# KiCad board register-motherboard - Copy.kicad_pcb
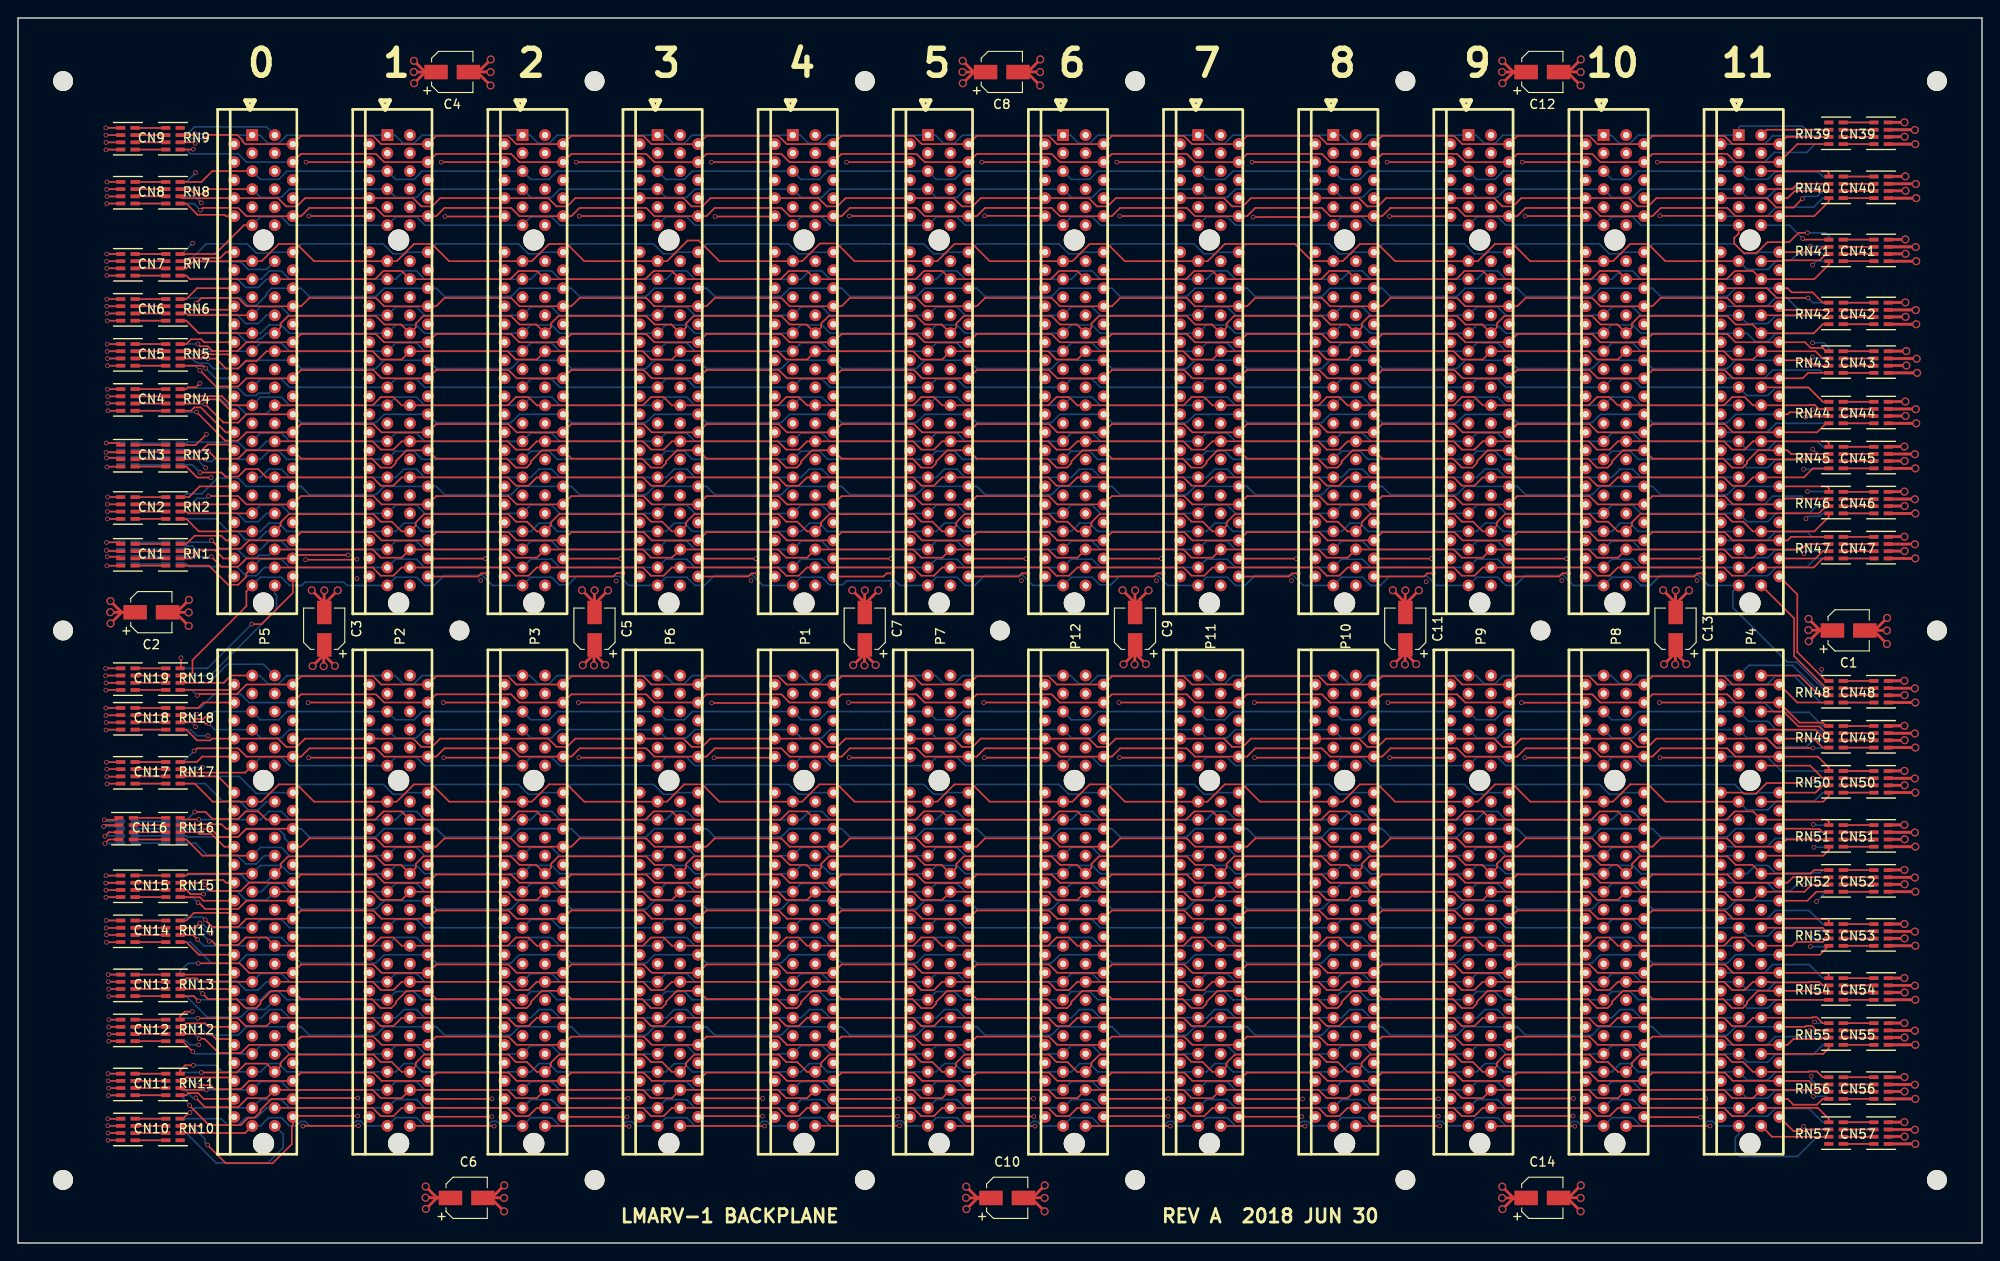
[diagram p0: board, top side]
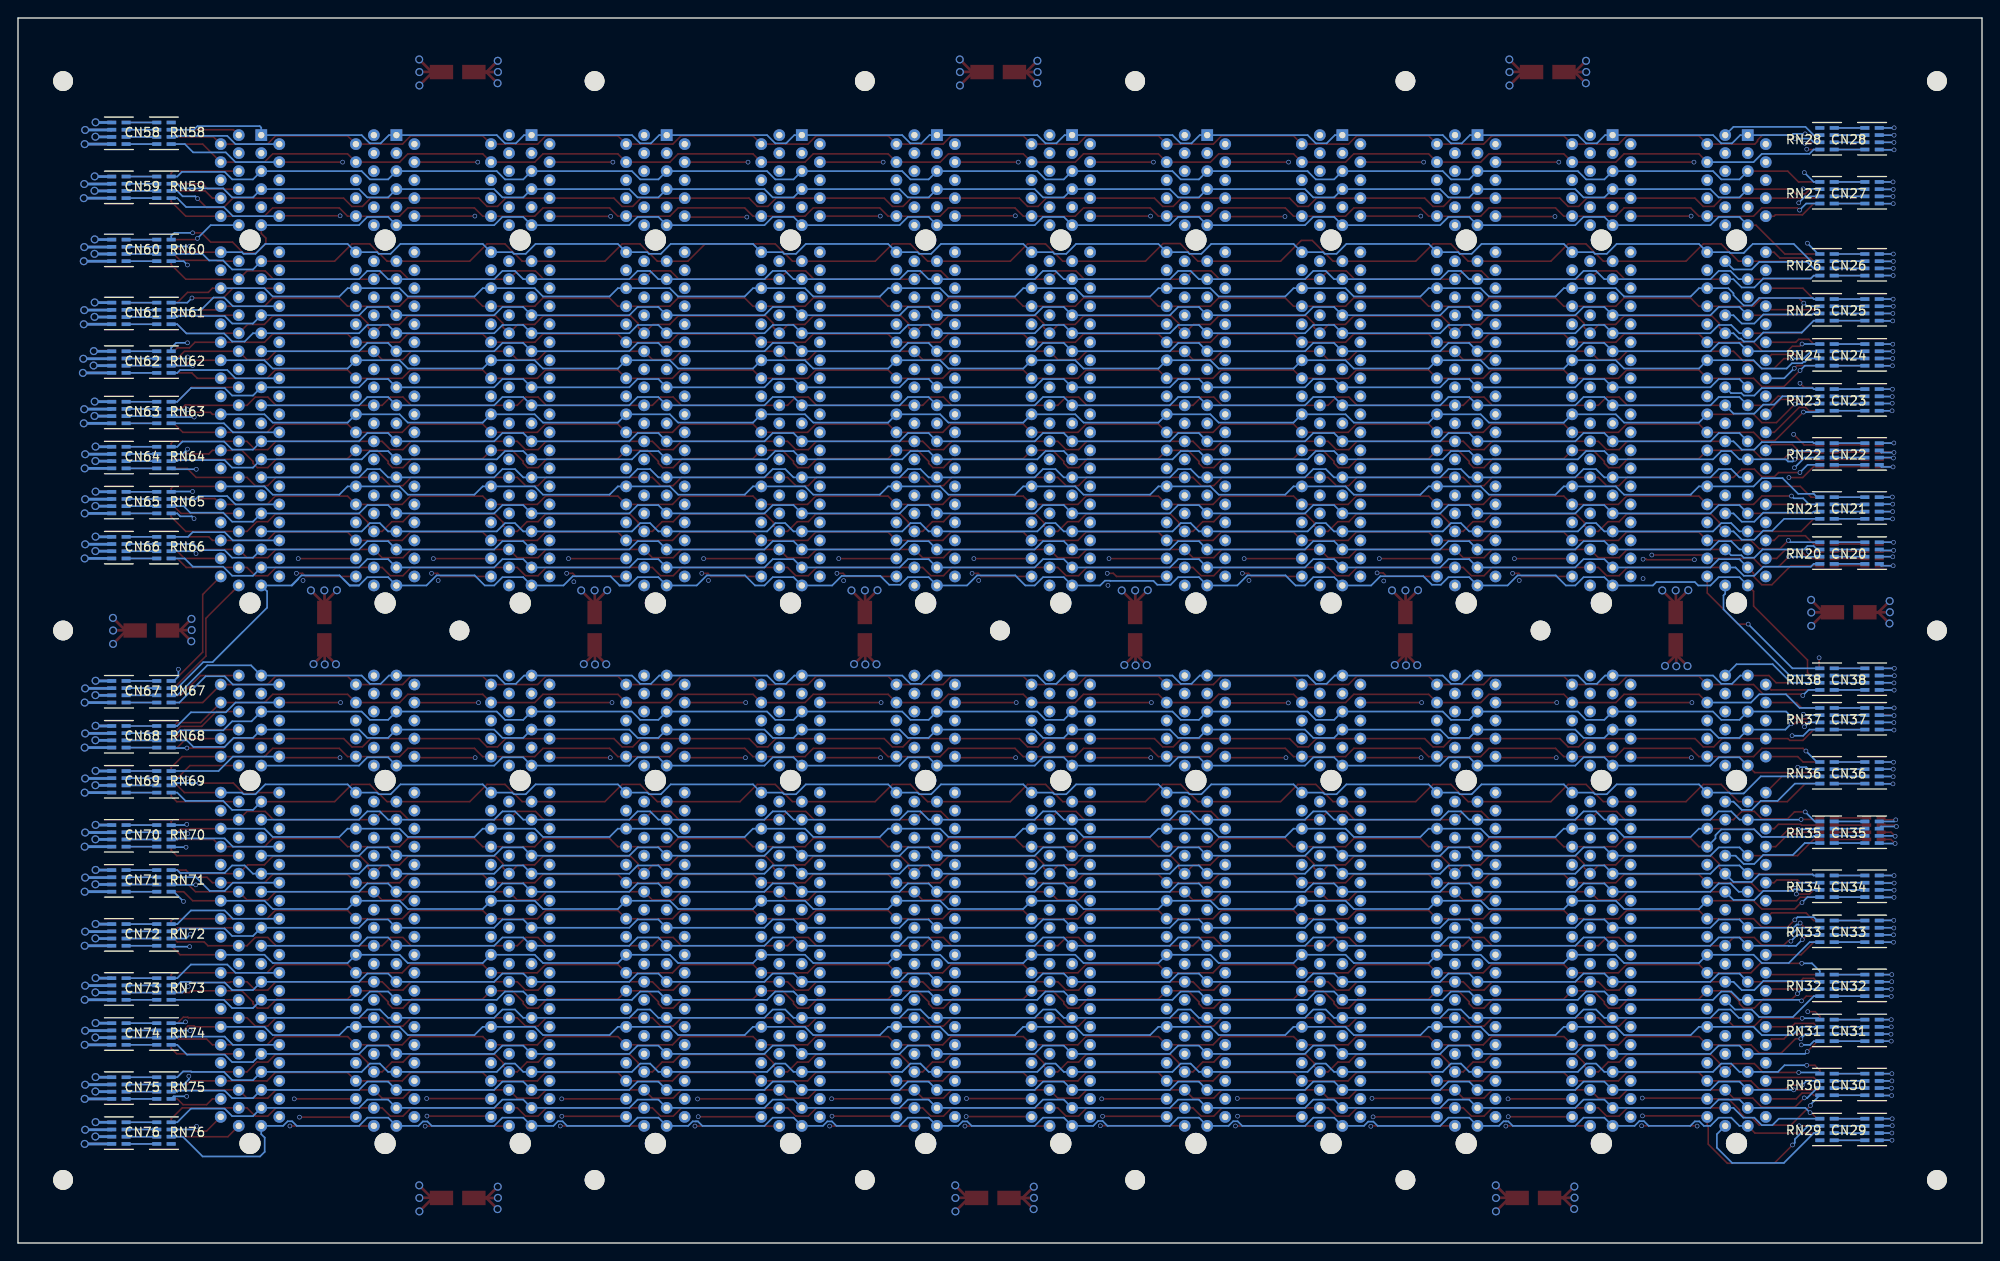
[diagram p1: board, bottom side, seen from below]

Outline 218 x 136 mm; copper layers: Top, Gnd1.Cu (plane), In2.Cu, Vcc3.Cu (plane), Gnd4.Cu (plane), Bottom. Coordinates in mm from the lower left corner of the outline.
Outline path: 0,136 218,136 218,0 0,0 0,136

## Placement (name value [footprint] x y rotation side)
C1  47u  [CP_Elec_4x4.5]  203.2 68 0 top
C2  47u  [CP_Elec_4x4.5]  14.8 70.02 0 top
C3  47u  [CP_Elec_4x4.5]  34 68.2 90 top
C4  47u  [CP_Elec_4x4.5]  48.2 130 0 top
C5  47u  [CP_Elec_4x4.5]  64 68.2 90 top
C6  47u  [CP_Elec_4x4.5]  49.8 5 0 top
C7  47u  [CP_Elec_4x4.5]  94 68.2 90 top
C8  47u  [CP_Elec_4x4.5]  109.2 130 0 top
C9  47u  [CP_Elec_4x4.5]  124 68.2 90 top
C10  47u  [CP_Elec_4x4.5]  109.8 5 0 top
C11  47u  [CP_Elec_4x4.5]  154 68.2 90 top
C12  47u  [CP_Elec_4x4.5]  169.2 130 0 top
C13  47u  [CP_Elec_4x4.5]  184 68.2 90 top
C14  47u  [CP_Elec_4x4.5]  169.2 5 0 top
CN1  CA0612KRNPO9BN151  [CARRAY_8_0612_3.2x1.6mm_Pitch0.8mm]  12.2 76.4 0 top
CN2  CA0612KRNPO9BN151  [CARRAY_8_0612_3.2x1.6mm_Pitch0.8mm]  12.2 81.6 0 top
CN3  CA0612KRNPO9BN151  [CARRAY_8_0612_3.2x1.6mm_Pitch0.8mm]  12.2 87.4 0 top
CN4  CA0612KRNPO9BN151  [CARRAY_8_0612_3.2x1.6mm_Pitch0.8mm]  12.2 93.6 0 top
CN5  CA0612KRNPO9BN151  [CARRAY_8_0612_3.2x1.6mm_Pitch0.8mm]  12.2 98.6 0 top
CN6  CA0612KRNPO9BN151  [CARRAY_8_0612_3.2x1.6mm_Pitch0.8mm]  12.2 103.6 0 top
CN7  CA0612KRNPO9BN151  [CARRAY_8_0612_3.2x1.6mm_Pitch0.8mm]  12.2 108.6 0 top
CN8  CA0612KRNPO9BN151  [CARRAY_8_0612_3.2x1.6mm_Pitch0.8mm]  12.2 116.6 0 top
CN9  CA0612KRNPO9BN151  [CARRAY_8_0612_3.2x1.6mm_Pitch0.8mm]  12.2 122.6 0 top
CN10  CA0612KRNPO9BN151  [CARRAY_8_0612_3.2x1.6mm_Pitch0.8mm]  12.2 12.6 0 top
CN11  CA0612KRNPO9BN151  [CARRAY_8_0612_3.2x1.6mm_Pitch0.8mm]  12.2 17.6 0 top
CN12  CA0612KRNPO9BN151  [CARRAY_8_0612_3.2x1.6mm_Pitch0.8mm]  12.2 23.6 0 top
CN13  CA0612KRNPO9BN151  [CARRAY_8_0612_3.2x1.6mm_Pitch0.8mm]  12.2 28.6 0 top
CN14  CA0612KRNPO9BN151  [CARRAY_8_0612_3.2x1.6mm_Pitch0.8mm]  12.2 34.6 0 top
CN15  CA0612KRNPO9BN151  [CARRAY_8_0612_3.2x1.6mm_Pitch0.8mm]  12.2 39.6 0 top
CN16  CA0612KRNPO9BN151  [CARRAY_8_0612_3.2x1.6mm_Pitch0.8mm]  12 46 0 top
CN17  CA0612KRNPO9BN151  [CARRAY_8_0612_3.2x1.6mm_Pitch0.8mm]  12.2 52.2 0 top
CN18  CA0612KRNPO9BN151  [CARRAY_8_0612_3.2x1.6mm_Pitch0.8mm]  12.2 58.2 0 top
CN19  CA0612KRNPO9BN151  [CARRAY_8_0612_3.2x1.6mm_Pitch0.8mm]  12.2 62.6 0 top
CN20  CA0612KRNPO9BN151  [CARRAY_8_0612_3.2x1.6mm_Pitch0.8mm]  12.2 76.6 0 bottom
CN21  CA0612KRNPO9BN151  [CARRAY_8_0612_3.2x1.6mm_Pitch0.8mm]  12.2 81.6 0 bottom
CN22  CA0612KRNPO9BN151  [CARRAY_8_0612_3.2x1.6mm_Pitch0.8mm]  12.2 87.6 0 bottom
CN23  CA0612KRNPO9BN151  [CARRAY_8_0612_3.2x1.6mm_Pitch0.8mm]  12.2 93.6 0 bottom
CN24  CA0612KRNPO9BN151  [CARRAY_8_0612_3.2x1.6mm_Pitch0.8mm]  12.2 98.6 0 bottom
CN25  CA0612KRNPO9BN151  [CARRAY_8_0612_3.2x1.6mm_Pitch0.8mm]  12.2 103.6 0 bottom
CN26  CA0612KRNPO9BN151  [CARRAY_8_0612_3.2x1.6mm_Pitch0.8mm]  12.2 108.6 0 bottom
CN27  CA0612KRNPO9BN151  [CARRAY_8_0612_3.2x1.6mm_Pitch0.8mm]  12.2 116.6 0 bottom
CN28  CA0612KRNPO9BN151  [CARRAY_8_0612_3.2x1.6mm_Pitch0.8mm]  12.2 122.6 0 bottom
CN29  CA0612KRNPO9BN151  [CARRAY_8_0612_3.2x1.6mm_Pitch0.8mm]  12.2 12.6 0 bottom
CN30  CA0612KRNPO9BN151  [CARRAY_8_0612_3.2x1.6mm_Pitch0.8mm]  12.2 17.6 0 bottom
CN31  CA0612KRNPO9BN151  [CARRAY_8_0612_3.2x1.6mm_Pitch0.8mm]  12.2 23.6 0 bottom
CN32  CA0612KRNPO9BN151  [CARRAY_8_0612_3.2x1.6mm_Pitch0.8mm]  12.2 28.6 0 bottom
CN33  CA0612KRNPO9BN151  [CARRAY_8_0612_3.2x1.6mm_Pitch0.8mm]  12.2 34.6 0 bottom
CN34  CA0612KRNPO9BN151  [CARRAY_8_0612_3.2x1.6mm_Pitch0.8mm]  12.2 39.6 0 bottom
CN35  CA0612KRNPO9BN151  [CARRAY_8_0612_3.2x1.6mm_Pitch0.8mm]  12.2 45.6 0 bottom
CN36  CA0612KRNPO9BN151  [CARRAY_8_0612_3.2x1.6mm_Pitch0.8mm]  12.2 52.2 0 bottom
CN37  CA0612KRNPO9BN151  [CARRAY_8_0612_3.2x1.6mm_Pitch0.8mm]  12.2 58.2 0 bottom
CN38  CA0612KRNPO9BN151  [CARRAY_8_0612_3.2x1.6mm_Pitch0.8mm]  12.2 62.6 0 bottom
CN39  CA0612KRNPO9BN151  [CARRAY_8_0612_3.2x1.6mm_Pitch0.8mm]  206.8 123.2 180 top
CN40  CA0612KRNPO9BN151  [CARRAY_8_0612_3.2x1.6mm_Pitch0.8mm]  206.8 117.2 180 top
CN41  CA0612KRNPO9BN151  [CARRAY_8_0612_3.2x1.6mm_Pitch0.8mm]  206.8 110.2 180 top
CN42  CA0612KRNPO9BN151  [CARRAY_8_0612_3.2x1.6mm_Pitch0.8mm]  206.8 103.2 180 top
CN43  CA0612KRNPO9BN151  [CARRAY_8_0612_3.2x1.6mm_Pitch0.8mm]  206.8 97.8 180 top
CN44  CA0612KRNPO9BN151  [CARRAY_8_0612_3.2x1.6mm_Pitch0.8mm]  206.8 92.2 180 top
CN45  CA0612KRNPO9BN151  [CARRAY_8_0612_3.2x1.6mm_Pitch0.8mm]  206.8 87.2 180 top
CN46  CA0612KRNPO9BN151  [CARRAY_8_0612_3.2x1.6mm_Pitch0.8mm]  206.8 82.2 180 top
CN47  CA0612KRNPO9BN151  [CARRAY_8_0612_3.2x1.6mm_Pitch0.8mm]  206.8 77.2 180 top
CN48  CA0612KRNPO9BN151  [CARRAY_8_0612_3.2x1.6mm_Pitch0.8mm]  206.8 61.2 180 top
CN49  CA0612KRNPO9BN151  [CARRAY_8_0612_3.2x1.6mm_Pitch0.8mm]  206.8 56.2 180 top
CN50  CA0612KRNPO9BN151  [CARRAY_8_0612_3.2x1.6mm_Pitch0.8mm]  206.8 51.2 180 top
CN51  CA0612KRNPO9BN151  [CARRAY_8_0612_3.2x1.6mm_Pitch0.8mm]  206.8 45.2 180 top
CN52  CA0612KRNPO9BN151  [CARRAY_8_0612_3.2x1.6mm_Pitch0.8mm]  206.8 40.2 180 top
CN53  CA0612KRNPO9BN151  [CARRAY_8_0612_3.2x1.6mm_Pitch0.8mm]  206.8 34.2 180 top
CN54  CA0612KRNPO9BN151  [CARRAY_8_0612_3.2x1.6mm_Pitch0.8mm]  206.8 28.2 180 top
CN55  CA0612KRNPO9BN151  [CARRAY_8_0612_3.2x1.6mm_Pitch0.8mm]  206.8 23.2 180 top
CN56  CA0612KRNPO9BN151  [CARRAY_8_0612_3.2x1.6mm_Pitch0.8mm]  206.8 17.2 180 top
CN57  CA0612KRNPO9BN151  [CARRAY_8_0612_3.2x1.6mm_Pitch0.8mm]  206.8 12.2 180 top
CN58  CA0612KRNPO9BN151  [CARRAY_8_0612_3.2x1.6mm_Pitch0.8mm]  206.8 123.2 180 bottom
CN59  CA0612KRNPO9BN151  [CARRAY_8_0612_3.2x1.6mm_Pitch0.8mm]  206.8 117.2 180 bottom
CN60  CA0612KRNPO9BN151  [CARRAY_8_0612_3.2x1.6mm_Pitch0.8mm]  206.8 110.2 180 bottom
CN61  CA0612KRNPO9BN151  [CARRAY_8_0612_3.2x1.6mm_Pitch0.8mm]  206.8 103.2 180 bottom
CN62  CA0612KRNPO9BN151  [CARRAY_8_0612_3.2x1.6mm_Pitch0.8mm]  206.8 97.8 180 bottom
CN63  CA0612KRNPO9BN151  [CARRAY_8_0612_3.2x1.6mm_Pitch0.8mm]  206.8 92.2 180 bottom
CN64  CA0612KRNPO9BN151  [CARRAY_8_0612_3.2x1.6mm_Pitch0.8mm]  206.8 87.2 180 bottom
CN65  CA0612KRNPO9BN151  [CARRAY_8_0612_3.2x1.6mm_Pitch0.8mm]  206.8 82.2 180 bottom
CN66  CA0612KRNPO9BN151  [CARRAY_8_0612_3.2x1.6mm_Pitch0.8mm]  206.8 77.2 180 bottom
CN67  CA0612KRNPO9BN151  [CARRAY_8_0612_3.2x1.6mm_Pitch0.8mm]  206.8 61.2 180 bottom
CN68  CA0612KRNPO9BN151  [CARRAY_8_0612_3.2x1.6mm_Pitch0.8mm]  206.8 56.2 180 bottom
CN69  CA0612KRNPO9BN151  [CARRAY_8_0612_3.2x1.6mm_Pitch0.8mm]  206.8 51.2 180 bottom
CN70  CA0612KRNPO9BN151  [CARRAY_8_0612_3.2x1.6mm_Pitch0.8mm]  206.8 45.2 180 bottom
CN71  CA0612KRNPO9BN151  [CARRAY_8_0612_3.2x1.6mm_Pitch0.8mm]  206.8 40.2 180 bottom
CN72  CA0612KRNPO9BN151  [CARRAY_8_0612_3.2x1.6mm_Pitch0.8mm]  206.8 34.2 180 bottom
CN73  CA0612KRNPO9BN151  [CARRAY_8_0612_3.2x1.6mm_Pitch0.8mm]  206.8 28.2 180 bottom
CN74  CA0612KRNPO9BN151  [CARRAY_8_0612_3.2x1.6mm_Pitch0.8mm]  206.8 23.2 180 bottom
CN75  CA0612KRNPO9BN151  [CARRAY_8_0612_3.2x1.6mm_Pitch0.8mm]  206.8 17.2 180 bottom
CN76  CA0612KRNPO9BN151  [CARRAY_8_0612_3.2x1.6mm_Pitch0.8mm]  206.8 12.2 180 bottom
P1  dual-pcie-cardedge  [2pci_express_slot]  87.25 111.35 270 top
P2  dual-pcie-cardedge  [2pci_express_slot]  42.25 111.35 270 top
P3  dual-pcie-cardedge  [2pci_express_slot]  57.25 111.35 270 top
P4  dual-pcie-cardedge  [2pci_express_slot]  192.25 111.35 270 top
P5  dual-pcie-cardedge  [2pci_express_slot]  27.25 111.35 270 top
P6  dual-pcie-cardedge  [2pci_express_slot]  72.25 111.35 270 top
P7  dual-pcie-cardedge  [2pci_express_slot]  102.25 111.35 270 top
P8  dual-pcie-cardedge  [2pci_express_slot]  177.25 111.35 270 top
P9  dual-pcie-cardedge  [2pci_express_slot]  162.25 111.35 270 top
P10  dual-pcie-cardedge  [2pci_express_slot]  147.25 111.35 270 top
P11  dual-pcie-cardedge  [2pci_express_slot]  132.25 111.35 270 top
P12  dual-pcie-cardedge  [2pci_express_slot]  117.25 111.35 270 top
REF**  -  [MountingHole_2.2mm_M2]  169 68 0 top
REF**#2  -  [MountingHole_2.2mm_M2]  213 68 0 top
REF**#3  -  [MountingHole_2.2mm_M2]  49 68 0 top
REF**#4  -  [MountingHole_2.2mm_M2]  109 68 0 top
REF**#5  -  [MountingHole_2.2mm_M2]  5 68 0 top
REF**#6  -  [MountingHole_2.2mm_M2]  213 129 0 top
REF**#7  -  [MountingHole_2.2mm_M2]  154 129 0 top
REF**#8  -  [MountingHole_2.2mm_M2]  5 129 0 top
REF**#9  -  [MountingHole_2.2mm_M2]  64 129 0 top
REF**#10  -  [MountingHole_2.2mm_M2]  94 129 0 top
REF**#11  -  [MountingHole_2.2mm_M2]  124 129 0 top
REF**#12  -  [MountingHole_2.2mm_M2]  124 7 0 top
REF**#13  -  [MountingHole_2.2mm_M2]  5 7 0 top
REF**#14  -  [MountingHole_2.2mm_M2]  64 7 0 top
REF**#15  -  [MountingHole_2.2mm_M2]  94 7 0 top
REF**#16  -  [MountingHole_2.2mm_M2]  213 7 0 top
REF**#17  -  [MountingHole_2.2mm_M2]  154 7 0 top
RN1  CAT16-101J4  [CARRAY_8_0612_3.2x1.6mm_Pitch0.8mm]  17.2 76.4 0 top
RN2  CAT16-101J4  [CARRAY_8_0612_3.2x1.6mm_Pitch0.8mm]  17.2 81.6 0 top
RN3  CAT16-101J4  [CARRAY_8_0612_3.2x1.6mm_Pitch0.8mm]  17.2 87.4 0 top
RN4  CAT16-101J4  [CARRAY_8_0612_3.2x1.6mm_Pitch0.8mm]  17.2 93.6 0 top
RN5  CAT16-101J4  [CARRAY_8_0612_3.2x1.6mm_Pitch0.8mm]  17.2 98.6 0 top
RN6  CAT16-101J4  [CARRAY_8_0612_3.2x1.6mm_Pitch0.8mm]  17.2 103.6 0 top
RN7  CAT16-101J4  [CARRAY_8_0612_3.2x1.6mm_Pitch0.8mm]  17.2 108.6 0 top
RN8  CAT16-101J4  [CARRAY_8_0612_3.2x1.6mm_Pitch0.8mm]  17.2 116.6 0 top
RN9  CAT16-101J4  [CARRAY_8_0612_3.2x1.6mm_Pitch0.8mm]  17.2 122.6 0 top
RN10  CAT16-101J4  [CARRAY_8_0612_3.2x1.6mm_Pitch0.8mm]  17.2 12.6 0 top
RN11  CAT16-101J4  [CARRAY_8_0612_3.2x1.6mm_Pitch0.8mm]  17.2 17.6 0 top
RN12  CAT16-101J4  [CARRAY_8_0612_3.2x1.6mm_Pitch0.8mm]  17.2 23.6 0 top
RN13  CAT16-101J4  [CARRAY_8_0612_3.2x1.6mm_Pitch0.8mm]  17.2 28.6 0 top
RN14  CAT16-101J4  [CARRAY_8_0612_3.2x1.6mm_Pitch0.8mm]  17.2 34.6 0 top
RN15  CAT16-101J4  [CARRAY_8_0612_3.2x1.6mm_Pitch0.8mm]  17.2 39.6 0 top
RN16  CAT16-101J4  [CARRAY_8_0612_3.2x1.6mm_Pitch0.8mm]  17.2 46 0 top
RN17  CAT16-101J4  [CARRAY_8_0612_3.2x1.6mm_Pitch0.8mm]  17.2 52.2 0 top
RN18  CAT16-101J4  [CARRAY_8_0612_3.2x1.6mm_Pitch0.8mm]  17.2 58.2 0 top
RN19  CAT16-101J4  [CARRAY_8_0612_3.2x1.6mm_Pitch0.8mm]  17.2 62.6 0 top
RN20  CAT16-101J4  [CARRAY_8_0612_3.2x1.6mm_Pitch0.8mm]  17.2 76.6 0 bottom
RN21  CAT16-101J4  [CARRAY_8_0612_3.2x1.6mm_Pitch0.8mm]  17.2 81.6 0 bottom
RN22  CAT16-101J4  [CARRAY_8_0612_3.2x1.6mm_Pitch0.8mm]  17.2 87.6 0 bottom
RN23  CAT16-101J4  [CARRAY_8_0612_3.2x1.6mm_Pitch0.8mm]  17.2 93.6 0 bottom
RN24  CAT16-101J4  [CARRAY_8_0612_3.2x1.6mm_Pitch0.8mm]  17.2 98.6 0 bottom
RN25  CAT16-101J4  [CARRAY_8_0612_3.2x1.6mm_Pitch0.8mm]  17.2 103.6 0 bottom
RN26  CAT16-101J4  [CARRAY_8_0612_3.2x1.6mm_Pitch0.8mm]  17.2 108.6 0 bottom
RN27  CAT16-101J4  [CARRAY_8_0612_3.2x1.6mm_Pitch0.8mm]  17.2 116.6 0 bottom
RN28  CAT16-101J4  [CARRAY_8_0612_3.2x1.6mm_Pitch0.8mm]  17.2 122.6 0 bottom
RN29  CAT16-101J4  [CARRAY_8_0612_3.2x1.6mm_Pitch0.8mm]  17.2 12.6 0 bottom
RN30  CAT16-101J4  [CARRAY_8_0612_3.2x1.6mm_Pitch0.8mm]  17.2 17.6 0 bottom
RN31  CAT16-101J4  [CARRAY_8_0612_3.2x1.6mm_Pitch0.8mm]  17.2 23.6 0 bottom
RN32  CAT16-101J4  [CARRAY_8_0612_3.2x1.6mm_Pitch0.8mm]  17.2 28.6 0 bottom
RN33  CAT16-101J4  [CARRAY_8_0612_3.2x1.6mm_Pitch0.8mm]  17.2 34.6 0 bottom
RN34  CAT16-101J4  [CARRAY_8_0612_3.2x1.6mm_Pitch0.8mm]  17.2 39.6 0 bottom
RN35  CAT16-101J4  [CARRAY_8_0612_3.2x1.6mm_Pitch0.8mm]  17.2 45.6 0 bottom
RN36  CAT16-101J4  [CARRAY_8_0612_3.2x1.6mm_Pitch0.8mm]  17.2 52.2 0 bottom
RN37  CAT16-101J4  [CARRAY_8_0612_3.2x1.6mm_Pitch0.8mm]  17.2 58.2 0 bottom
RN38  CAT16-101J4  [CARRAY_8_0612_3.2x1.6mm_Pitch0.8mm]  17.2 62.6 0 bottom
RN39  CAT16-101J4  [CARRAY_8_0612_3.2x1.6mm_Pitch0.8mm]  201.8 123.2 180 top
RN40  CAT16-101J4  [CARRAY_8_0612_3.2x1.6mm_Pitch0.8mm]  201.8 117.2 180 top
RN41  CAT16-101J4  [CARRAY_8_0612_3.2x1.6mm_Pitch0.8mm]  201.8 110.2 180 top
RN42  CAT16-101J4  [CARRAY_8_0612_3.2x1.6mm_Pitch0.8mm]  201.8 103.2 180 top
RN43  CAT16-101J4  [CARRAY_8_0612_3.2x1.6mm_Pitch0.8mm]  201.8 97.8 180 top
RN44  CAT16-101J4  [CARRAY_8_0612_3.2x1.6mm_Pitch0.8mm]  201.8 92.2 180 top
RN45  CAT16-101J4  [CARRAY_8_0612_3.2x1.6mm_Pitch0.8mm]  201.8 87.2 180 top
RN46  CAT16-101J4  [CARRAY_8_0612_3.2x1.6mm_Pitch0.8mm]  201.8 82.2 180 top
RN47  CAT16-101J4  [CARRAY_8_0612_3.2x1.6mm_Pitch0.8mm]  201.8 77.2 180 top
RN48  CAT16-101J4  [CARRAY_8_0612_3.2x1.6mm_Pitch0.8mm]  201.8 61.2 180 top
RN49  CAT16-101J4  [CARRAY_8_0612_3.2x1.6mm_Pitch0.8mm]  201.8 56.2 180 top
RN50  CAT16-101J4  [CARRAY_8_0612_3.2x1.6mm_Pitch0.8mm]  201.8 51.2 180 top
RN51  CAT16-101J4  [CARRAY_8_0612_3.2x1.6mm_Pitch0.8mm]  201.8 45.2 180 top
RN52  CAT16-101J4  [CARRAY_8_0612_3.2x1.6mm_Pitch0.8mm]  201.8 40.2 180 top
RN53  CAT16-101J4  [CARRAY_8_0612_3.2x1.6mm_Pitch0.8mm]  201.8 34.2 180 top
RN54  CAT16-101J4  [CARRAY_8_0612_3.2x1.6mm_Pitch0.8mm]  201.8 28.2 180 top
RN55  CAT16-101J4  [CARRAY_8_0612_3.2x1.6mm_Pitch0.8mm]  201.8 23.2 180 top
RN56  CAT16-101J4  [CARRAY_8_0612_3.2x1.6mm_Pitch0.8mm]  201.8 17.2 180 top
RN57  CAT16-101J4  [CARRAY_8_0612_3.2x1.6mm_Pitch0.8mm]  201.8 12.2 180 top
RN58  CAT16-101J4  [CARRAY_8_0612_3.2x1.6mm_Pitch0.8mm]  201.8 123.2 180 bottom
RN59  CAT16-101J4  [CARRAY_8_0612_3.2x1.6mm_Pitch0.8mm]  201.8 117.2 180 bottom
RN60  CAT16-101J4  [CARRAY_8_0612_3.2x1.6mm_Pitch0.8mm]  201.8 110.2 180 bottom
RN61  CAT16-101J4  [CARRAY_8_0612_3.2x1.6mm_Pitch0.8mm]  201.8 103.2 180 bottom
RN62  CAT16-101J4  [CARRAY_8_0612_3.2x1.6mm_Pitch0.8mm]  201.8 97.8 180 bottom
RN63  CAT16-101J4  [CARRAY_8_0612_3.2x1.6mm_Pitch0.8mm]  201.8 92.2 180 bottom
RN64  CAT16-101J4  [CARRAY_8_0612_3.2x1.6mm_Pitch0.8mm]  201.8 87.2 180 bottom
RN65  CAT16-101J4  [CARRAY_8_0612_3.2x1.6mm_Pitch0.8mm]  201.8 82.2 180 bottom
RN66  CAT16-101J4  [CARRAY_8_0612_3.2x1.6mm_Pitch0.8mm]  201.8 77.2 180 bottom
RN67  CAT16-101J4  [CARRAY_8_0612_3.2x1.6mm_Pitch0.8mm]  201.8 61.2 180 bottom
RN68  CAT16-101J4  [CARRAY_8_0612_3.2x1.6mm_Pitch0.8mm]  201.8 56.2 180 bottom
RN69  CAT16-101J4  [CARRAY_8_0612_3.2x1.6mm_Pitch0.8mm]  201.8 51.2 180 bottom
RN70  CAT16-101J4  [CARRAY_8_0612_3.2x1.6mm_Pitch0.8mm]  201.8 45.2 180 bottom
RN71  CAT16-101J4  [CARRAY_8_0612_3.2x1.6mm_Pitch0.8mm]  201.8 40.2 180 bottom
RN72  CAT16-101J4  [CARRAY_8_0612_3.2x1.6mm_Pitch0.8mm]  201.8 34.2 180 bottom
RN73  CAT16-101J4  [CARRAY_8_0612_3.2x1.6mm_Pitch0.8mm]  201.8 28.2 180 bottom
RN74  CAT16-101J4  [CARRAY_8_0612_3.2x1.6mm_Pitch0.8mm]  201.8 23.2 180 bottom
RN75  CAT16-101J4  [CARRAY_8_0612_3.2x1.6mm_Pitch0.8mm]  201.8 17.2 180 bottom
RN76  CAT16-101J4  [CARRAY_8_0612_3.2x1.6mm_Pitch0.8mm]  201.8 12.2 180 bottom
